# KiCad board dueottosei.kicad_pcb
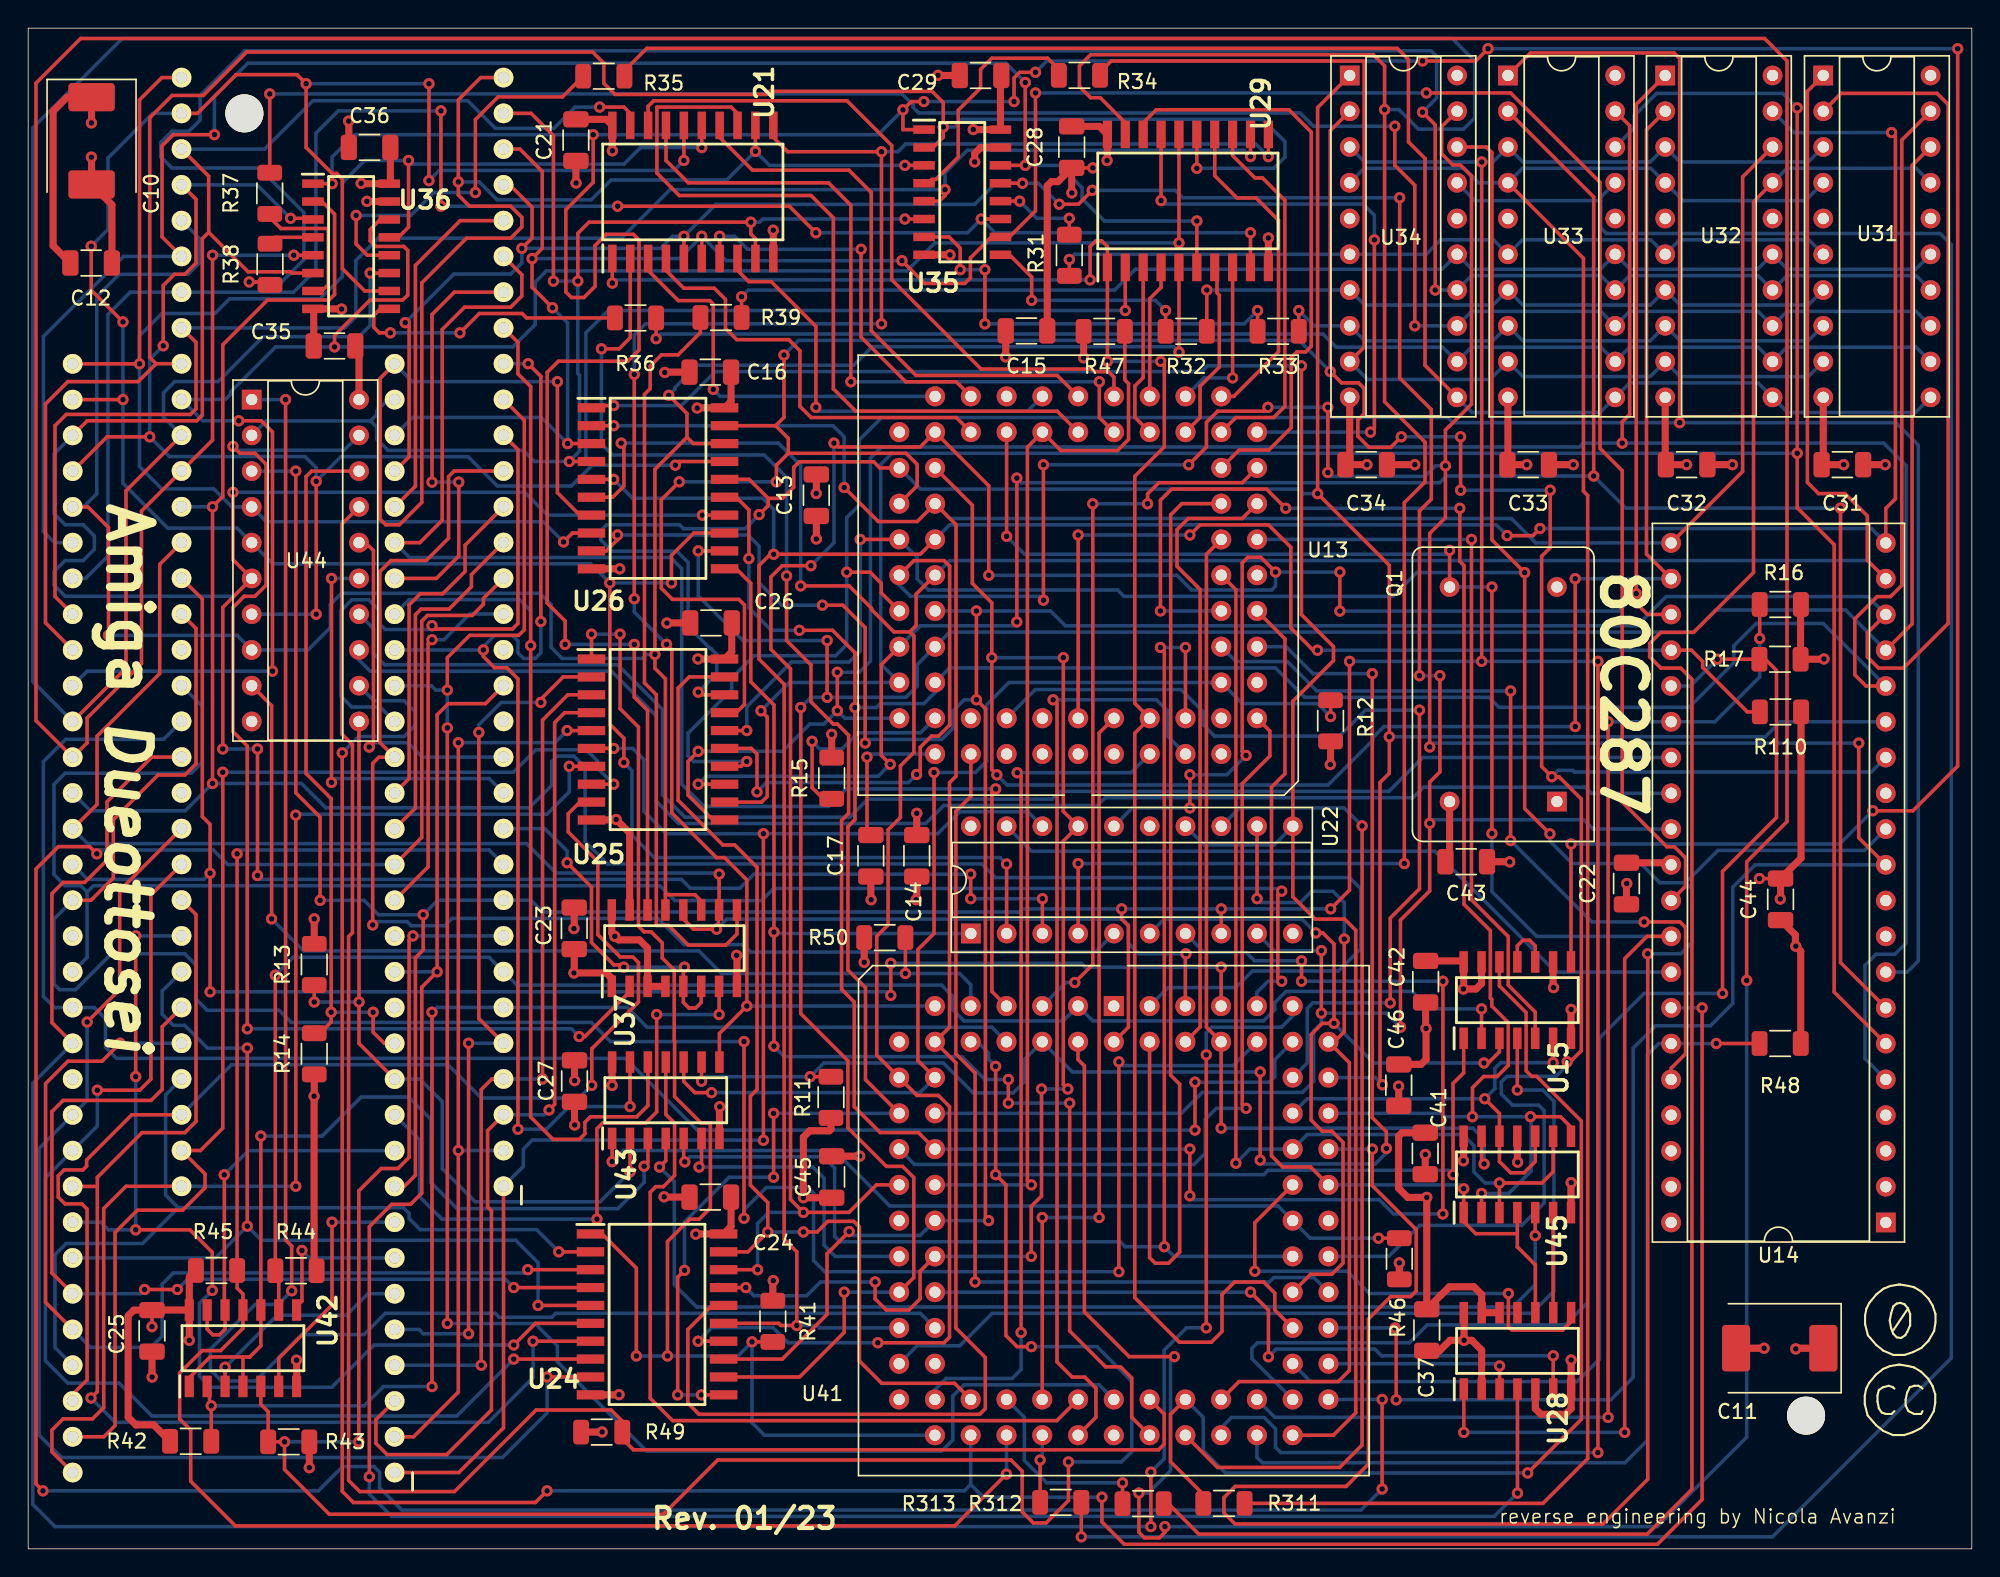
[diagram p0: board, top side]
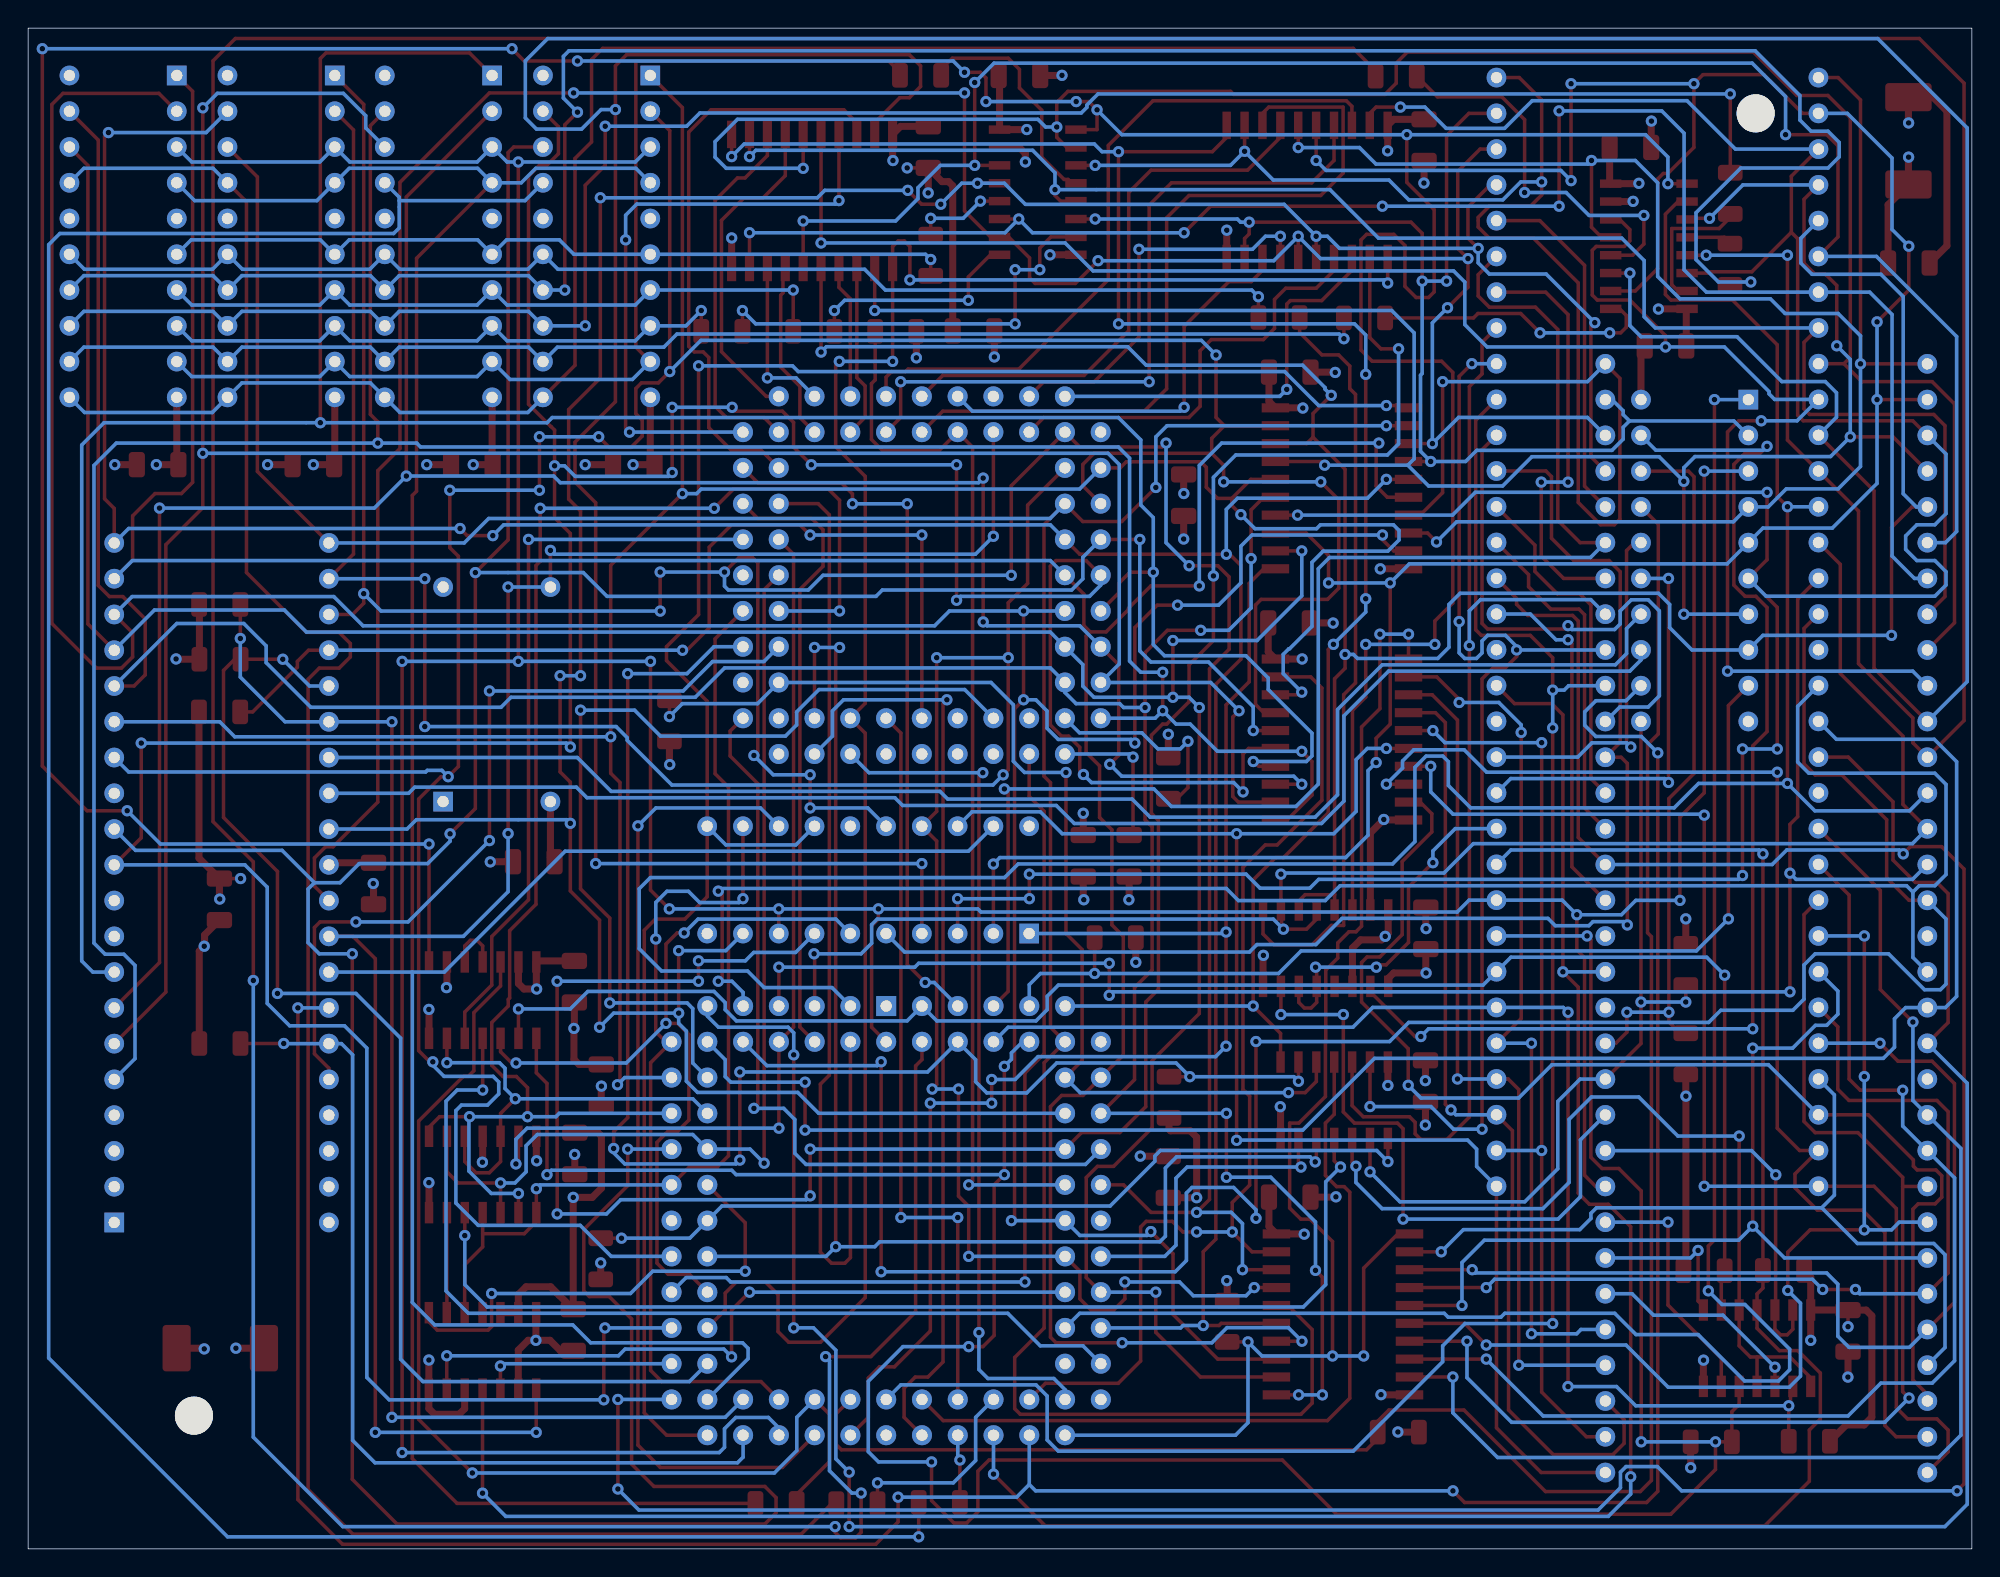
[diagram p1: board, bottom side, seen from below]

Outline 138 x 108 mm; copper layers: Top, In1.Cu (plane), In2.Cu (plane), Bottom. Coordinates in mm from the lower left corner of the outline.
Outline path: 0,108 138,108 138,0 0,0 0,108

## Placement (name value [footprint] x y rotation side)
C10  100uF  [CP_EIA-7361-438_AVX-U]  4.5 100 270 top
C11  100uF  [CP_EIA-7361-438_AVX-U]  124.36 14.25 180 top
C12  100nF  [C_1206_3216Metric]  4.47 91.32 0 top
C13  100nF  [C_1206_3216Metric]  55.96 74.83 90 top
C14  100nF  [C_1206_3216Metric]  63.09 49.22 270 top
C15  100nF  [C_1206_3216Metric]  70.88 86.5 0 top
C16  100nF  [C_1206_3216Metric]  48.43 83.57 180 top
C17  empty  [C_1206_3216Metric]  59.83 49.22 270 top
C21  100nF  [C_1206_3216Metric]  38.89 100.05 270 top
C22  100nF  [C_1206_3216Metric]  113.48 47.25 90 top
C23  100nF  [C_1206_3216Metric]  38.77 44.07 270 top
C24  100nF  [C_1206_3216Metric]  48.43 24.98 180 top
C25  100nF  [C_1206_3216Metric]  8.79 15.48 270 top
C26  100nF  [C_1206_3216Metric]  48.48 65.76 180 top
C27  100nF  [C_1206_3216Metric]  38.79 33.22 90 top
C28  100nF  [C_1206_3216Metric]  74.09 99.55 270 top
C29  100nF  [C_1206_3216Metric]  67.62 104.64 180 top
C31  100nF  [C_1206_3216Metric]  128.81 77 0 top
C32  100nF  [C_1206_3216Metric]  117.75 77 0 top
C33  100nF  [C_1206_3216Metric]  106.5 77 0 top
C34  100nF  [C_1206_3216Metric]  95 77 0 top
C35  100nF  [C_1206_3216Metric]  21.75 85.43 180 top
C36  100nF  [C_1206_3216Metric]  24.24 99.53 180 top
C37  100nF  [C_1206_3216Metric]  99.3 15.54 90 top
C41  100nF  [C_1206_3216Metric]  99.19 28.08 90 top
C42  100nF  [C_1206_3216Metric]  99.22 40.28 270 top
C43  100nF  [C_1206_3216Metric]  102.1 48.8 0 top
C44  100nF  [C_1206_3216Metric]  124.42 46.13 90 top
C45  100nF  [C_1206_3216Metric]  57.05 26.41 90 top
C46  100nF  [C_1206_3216Metric]  97.31 32.93 90 top
G1  LOGO  [atonce_F]  67.27 55.71 0 top
G2  LOGO  [atonce_B]  67.28 55.72 0 top
J1  Amiga board 68k socket  [DIPS2286W51P254L8128H419Q64N]  26.02 5.42 180 top
J2  Motorola 68k CPU  [DIPS2286W51P254L8128H419Q64N]  33.75 25.75 180 top
Q1  32MHz  [Oscillator_DIP-14]  108.54 53.07 90 top
R11  10K  [R_1206_3216Metric]  57 32.07 270 top
R12  10K  [R_1206_3216Metric]  92.47 58.81 90 top
R13  10K  [R_1206_3216Metric]  20.31 41.5 270 top
R14  10K  [R_1206_3216Metric]  20.31 35.16 90 top
R15  10K  [R_1206_3216Metric]  57.05 54.73 270 top
R16  10K  [R_1206_3216Metric]  124.4 67.07 180 top
R17  10K  [R_1206_3216Metric]  124.38 63.18 180 top
R31  22  [R_1206_3216Metric]  73.92 91.87 90 top
R32  22  [R_1206_3216Metric]  82.22 86.47 180 top
R33  22  [R_1206_3216Metric]  88.75 86.47 180 top
R34  22  [R_1206_3216Metric]  74.64 104.65 180 top
R35  22  [R_1206_3216Metric]  40.87 104.59 0 top
R36  22  [R_1206_3216Metric]  43.12 87.42 0 top
R37  22  [R_1206_3216Metric]  17.15 96.27 90 top
R38  22  [R_1206_3216Metric]  17.17 91.23 270 top
R39  22  [R_1206_3216Metric]  49.19 87.45 0 top
R41  10K  [R_1206_3216Metric]  52.87 16.16 270 top
R42  4.7K  [R_1206_3216Metric]  11.54 7.64 0 top
R43  4.7K  [R_1206_3216Metric]  18.5 7.6 180 top
R44  4.7K  [R_1206_3216Metric]  19.01 19.75 180 top
R45  1K  [R_1206_3216Metric]  13.37 19.77 0 top
R46  1K  [R_1206_3216Metric]  97.35 20.6 90 top
R47  4.7K  [R_1206_3216Metric]  76.4 86.47 0 top
R48  4.7K  [R_1206_3216Metric]  124.39 35.89 180 top
R49  10K  [R_1206_3216Metric]  40.72 8.29 0 top
R50  10K  [R_1206_3216Metric]  60.82 43.41 0 top
R110  2.2K  [R_1206_3216Metric]  124.41 59.44 180 top
R311  100  [R_1206_3216Metric]  84.9 3.23 0 top
R312  100  [R_1206_3216Metric]  79.16 3.21 0 top
R313  100  [R_1206_3216Metric]  73.31 3.3 0 top
REF1  -  [MountingHole_2.7mm]  126.23 9.46 0 top
REF2  -  [MountingHole_2.7mm]  15.35 101.95 0 top
REF4  -  [Symbol_CreativeCommonsPublicDomain_SilkScreenTop_Small]  132.75 13.52 0 top
U13  N80C286-16  [PLCC-68_THT-Socket-286]  74.55 56.45 180 top
U14  80C287  [DIP-40_W15.24mm_Socket]  131.89 23.18 180 top
U15  74LS08  [SOIC127P600X175-14N]  105.73 38.97 90 top
U21  74HCT374  [SOIC127P1030X265-20N#2]  47.19 96.37 90 top
U22  GAL16V8  [DIP-20_W7.62mm_Socket]  66.93 43.7 90 top
U24  SN74F245DWR  [SOIC127P1030X265-20N]  44.65 16.65 0 top
U25  SN74F245DWR  [SOIC127P1030X265-20N]  44.72 57.48 0 top
U26  74HCT374  [SOIC127P1030X265-20N]  44.72 75.32 0 top
U28  SN74F86D  [SOIC127P600X175-14N]  105.74 14.06 90 top
U29  74HCT374  [SOIC127P1030X265-20N]  82.34 95.73 90 top
U31  TMS44C256-80  [DIP-20_W7.62mm_Socket]  127.45 104.64 0 top
U32  TMS44C256-80  [DIP-20_W7.62mm_Socket]  116.23 104.64 0 top
U33  TMS44C256-80  [DIP-20_W7.62mm_Socket]  105.06 104.64 0 top
U34  TMS44C256-80  [DIP-20_W7.62mm_Socket]  93.83 104.64 0 top
U35  SN74F157AD  [SOIC127P600X175-16N]  66.32 96.35 0 top
U36  SN74F157AD  [SOIC127P600X175-16N]  22.93 92.51 0 top
U37  SN74F153D  [SOIC127P600X175-16N]  45.88 42.66 90 top
U41  XC2018-PC84  [PLCC-84_THT-Socket]  77.08 38.55 0 top
U42  SN74F125D  [SOIC127P600X175-14N#2]  15.25 14.25 90 top
U43  SN74F00D  [SOIC127P600X175-14N]  45.27 31.86 90 top
U44  GAL16V8  [DIP-20_W7.62mm_Socket]  15.87 81.62 0 top
U45  SN74F260D  [SOIC127P600X175-14N]  105.73 26.59 90 top

## Footprints (pads in the part's own frame, mm; a bottom-side part is the same pattern mirrored in y, then rotated)
C_1206_3216Metric
  rrect 1.15x1.8 smd: 1(-1.475,0) 2(1.475,0)
CP_EIA-7361-438_AVX-U
  rrect 2x3.3 smd: 1(-3.1,0) 2(3.1,0)
DIP-20_W7.62mm_Socket
  rect 1.4x1.4 hole 0.8: 1(0,0)
  oval 1.4x1.4 hole 0.8: 2(0,-2.54) 3(0,-5.08) 4(0,-7.62) 5(0,-10.16) 6(0,-12.7) 7(0,-15.24) 8(0,-17.78) 9(0,-20.32) 10(0,-22.86) 11(7.62,-22.86) 12(7.62,-20.32) 13(7.62,-17.78) 14(7.62,-15.24) 15(7.62,-12.7) 16(7.62,-10.16) 17(7.62,-7.62) 18(7.62,-5.08) 19(7.62,-2.54) 20(7.62,0)
DIP-40_W15.24mm_Socket
  rect 1.4x1.4 hole 0.8: 1(0,0)
  oval 1.4x1.4 hole 0.8: 2(0,-2.54) 3(0,-5.08) 4(0,-7.62) 5(0,-10.16) 6(0,-12.7) 7(0,-15.24) 8(0,-17.78) 9(0,-20.32) 10(0,-22.86) 11(0,-25.4) 12(0,-27.94) 13(0,-30.48) 14(0,-33.02) 15(0,-35.56) 16(0,-38.1) 17(0,-40.64) 18(0,-43.18) 19(0,-45.72) 20(0,-48.26) 21(15.24,-48.26) 22(15.24,-45.72) 23(15.24,-43.18) 24(15.24,-40.64) 25(15.24,-38.1) 26(15.24,-35.56) 27(15.24,-33.02) 28(15.24,-30.48) 29(15.24,-27.94) 30(15.24,-25.4) 31(15.24,-22.86) 32(15.24,-20.32) 33(15.24,-17.78) 34(15.24,-15.24) 35(15.24,-12.7) 36(15.24,-10.16) 37(15.24,-7.62) 38(15.24,-5.08) 39(15.24,-2.54) 40(15.24,0)
DIPS2286W51P254L8128H419Q64N
  round 1.4 hole 0.8: 1(0,0) 2(0,-2.54) 3(0,-5.08) 4(0,-7.62) 5(0,-10.16) 6(0,-12.7) 7(0,-15.24) 8(0,-17.78) 9(0,-20.32) 10(0,-22.86) 11(0,-25.4) 12(0,-27.94) 13(0,-30.48) 14(0,-33.02) 15(0,-35.56) 16(0,-38.1) 17(0,-40.64) 18(0,-43.18) 19(0,-45.72) 20(0,-48.26) 21(0,-50.8) 22(0,-53.34) 23(0,-55.88) 24(0,-58.42) 25(0,-60.96) 26(0,-63.5) 27(0,-66.04) 28(0,-68.58) 29(0,-71.12) 30(0,-73.66) 31(0,-76.2) 32(0,-78.74) 33(22.86,-78.74) 34(22.86,-76.2) 35(22.86,-73.66) 36(22.86,-71.12) 37(22.86,-68.58) 38(22.86,-66.04) 39(22.86,-63.5) 40(22.86,-60.96) 41(22.86,-58.42) 42(22.86,-55.88) 43(22.86,-53.34) 44(22.86,-50.8) 45(22.86,-48.26) 46(22.86,-45.72) 47(22.86,-43.18) 48(22.86,-40.64) 49(22.86,-38.1) 50(22.86,-35.56) 51(22.86,-33.02) 52(22.86,-30.48) 53(22.86,-27.94) 54(22.86,-25.4) 55(22.86,-22.86) 56(22.86,-20.32) 57(22.86,-17.78) 58(22.86,-15.24) 59(22.86,-12.7) 60(22.86,-10.16) 61(22.86,-7.62) 62(22.86,-5.08) 63(22.86,-2.54) 64(22.86,0)
MountingHole_2.7mm
  round 2.7 hole 2.7 unplated: (0,0)
Oscillator_DIP-14
  rect 1.4x1.4 hole 0.8: 1(0,0)
  round 1.4 hole 0.8: 7(15.24,0) 8(15.24,7.62) 14(0,7.62)
PLCC-68_THT-Socket-286
  round 1.422 hole 0.8: 1(-12.7,-2.54) 2(-10.16,-2.54) 3(-12.7,-5.08) 4(-10.16,-5.08) 5(-12.7,-7.62) 6(-10.16,-7.62) 7(-12.7,-10.16) 8(-10.16,-10.16) 9(-12.7,-12.7) 10(-10.16,-12.7) 11(-12.7,-15.24) 12(-10.16,-15.24) 13(-12.7,-17.78) 14(-10.16,-17.78) 15(-12.7,-20.32) 16(-10.16,-20.32) 17(-12.7,-22.86) 18(-10.16,-25.4) 19(-10.16,-22.86) 20(-7.62,-25.4) 21(-7.62,-22.86) 22(-5.08,-25.4) 23(-5.08,-22.86) 24(-2.54,-25.4) 25(-2.54,-22.86) 26(0,-25.4) 27(0,-22.86) 28(2.54,-25.4) 29(2.54,-22.86) 30(5.08,-25.4) 31(5.08,-22.86) 32(7.62,-25.4) 33(7.62,-22.86) 34(10.16,-25.4) 35(12.7,-22.86) 36(10.16,-22.86) 37(12.7,-20.32) 38(10.16,-20.32) 39(12.7,-17.78) 40(10.16,-17.78) 41(12.7,-15.24) 42(10.16,-15.24) 43(12.7,-12.7) 44(10.16,-12.7) 45(12.7,-10.16) 46(10.16,-10.16) 47(12.7,-7.62) 48(10.16,-7.62) 49(12.7,-5.08) 50(10.16,-5.08) 51(12.7,-2.54) 52(10.16,0) 53(10.16,-2.54) 54(7.62,0) 55(7.62,-2.54) 56(5.08,0) 57(5.08,-2.54) 58(2.54,0) 59(2.54,-2.54) 60(0,0) 61(0,-2.54) 62(-2.54,0) 63(-2.54,-2.54) 64(-5.08,0) 65(-5.08,-2.54) 66(-7.62,0) 67(-7.62,-2.54) 68(-10.16,0)
PLCC-84_THT-Socket
  rect 1.422x1.422 hole 0.8: 1(0,0)
  round 1.422 hole 0.8: 2(0,-2.54) 3(-2.54,0) 4(-2.54,-2.54) 5(-5.08,0) 6(-5.08,-2.54) 7(-7.62,0) 8(-7.62,-2.54) 9(-10.16,0) 10(-10.16,-2.54) 11(-12.7,0) 12(-15.24,-2.54) 13(-12.7,-2.54) 14(-15.24,-5.08) 15(-12.7,-5.08) 16(-15.24,-7.62) 17(-12.7,-7.62) 18(-15.24,-10.16) 19(-12.7,-10.16) 20(-15.24,-12.7) 21(-12.7,-12.7) 22(-15.24,-15.24) 23(-12.7,-15.24) 24(-15.24,-17.78) 25(-12.7,-17.78) 26(-15.24,-20.32) 27(-12.7,-20.32) 28(-15.24,-22.86) 29(-12.7,-22.86) 30(-15.24,-25.4) 31(-12.7,-25.4) 32(-15.24,-27.94) 33(-12.7,-30.48) 34(-12.7,-27.94) 35(-10.16,-30.48) 36(-10.16,-27.94) 37(-7.62,-30.48) 38(-7.62,-27.94) 39(-5.08,-30.48) 40(-5.08,-27.94) 41(-2.54,-30.48) 42(-2.54,-27.94) 43(0,-30.48) 44(0,-27.94) 45(2.54,-30.48) 46(2.54,-27.94) 47(5.08,-30.48) 48(5.08,-27.94) 49(7.62,-30.48) 50(7.62,-27.94) 51(10.16,-30.48) 52(10.16,-27.94) 53(12.7,-30.48) 54(15.24,-27.94) 55(12.7,-27.94) 56(15.24,-25.4) 57(12.7,-25.4) 58(15.24,-22.86) 59(12.7,-22.86) 60(15.24,-20.32) 61(12.7,-20.32) 62(15.24,-17.78) 63(12.7,-17.78) 64(15.24,-15.24) 65(12.7,-15.24) 66(15.24,-12.7) 67(12.7,-12.7) 68(15.24,-10.16) 69(12.7,-10.16) 70(15.24,-7.62) 71(12.7,-7.62) 72(15.24,-5.08) 73(12.7,-5.08) 74(15.24,-2.54) 75(12.7,0) 76(12.7,-2.54) 77(10.16,0) 78(10.16,-2.54) 79(7.62,0) 80(7.62,-2.54) 81(5.08,0) 82(5.08,-2.54) 83(2.54,0) 84(2.54,-2.54)
R_1206_3216Metric
  rrect 1.125x1.75 smd: 1(-1.462,0) 2(1.462,0)
SOIC127P600X175-14N
  rect 1.525x0.6 smd: 1(-2.712,3.81) 2(-2.712,2.54) 3(-2.712,1.27) 4(-2.712,0) 5(-2.712,-1.27) 6(-2.712,-2.54) 7(-2.712,-3.81) 8(2.712,-3.81) 9(2.712,-2.54) 10(2.712,-1.27) 11(2.712,0) 12(2.712,1.27) 13(2.712,2.54) 14(2.712,3.81)
SOIC127P600X175-14N#2
  rect 1.525x0.65 smd: 1(-2.712,3.81) 2(-2.712,2.54) 3(-2.712,1.27) 4(-2.712,0) 5(-2.712,-1.27) 6(-2.712,-2.54) 7(-2.712,-3.81) 8(2.712,-3.81) 9(2.712,-2.54) 10(2.712,-1.27) 11(2.712,0) 12(2.712,1.27) 13(2.712,2.54) 14(2.712,3.81)
SOIC127P600X175-16N
  rect 1.525x0.6 smd: 1(-2.712,4.445) 2(-2.712,3.175) 3(-2.712,1.905) 4(-2.712,0.635) 5(-2.712,-0.635) 6(-2.712,-1.905) 7(-2.712,-3.175) 8(-2.712,-4.445) 9(2.712,-4.445) 10(2.712,-3.175) 11(2.712,-1.905) 12(2.712,-0.635) 13(2.712,0.635) 14(2.712,1.905) 15(2.712,3.175) 16(2.712,4.445)
SOIC127P1030X265-20N
  rect 1.95x0.65 smd: 1(-4.725,5.715) 2(-4.725,4.445) 3(-4.725,3.175) 4(-4.725,1.905) 5(-4.725,0.635) 6(-4.725,-0.635) 7(-4.725,-1.905) 8(-4.725,-3.175) 9(-4.725,-4.445) 10(-4.725,-5.715) 11(4.725,-5.715) 12(4.725,-4.445) 13(4.725,-3.175) 14(4.725,-1.905) 15(4.725,-0.635) 16(4.725,0.635) 17(4.725,1.905) 18(4.725,3.175) 19(4.725,4.445) 20(4.725,5.715)
SOIC127P1030X265-20N#2
  rect 1.95x0.6 smd: 1(-4.725,5.715) 2(-4.725,4.445) 3(-4.725,3.175) 4(-4.725,1.905) 5(-4.725,0.635) 6(-4.725,-0.635) 7(-4.725,-1.905) 8(-4.725,-3.175) 9(-4.725,-4.445) 10(-4.725,-5.715) 11(4.725,-5.715) 12(4.725,-4.445) 13(4.725,-3.175) 14(4.725,-1.905) 15(4.725,-0.635) 16(4.725,0.635) 17(4.725,1.905) 18(4.725,3.175) 19(4.725,4.445) 20(4.725,5.715)

## Nets
GND: C10.2 C11.2 C12.2 C13.2 C14.2 C15.2 C16.2 C17.2 C21.2 C22.2 C23.2 C24.2 C25.2 C26.2 C27.2 C28.2 C29.2 C31.2 C32.2 C33.2 C34.2 C35.2 C36.2 C37.2 C41.2 C42.2 C43.2 C44.2 C45.2 C46.2 J1.16 J1.53 J2.16 J2.53 Q1.7 R110.1 U13.9 U13.35 U13.59 U13.60 U14.10 U14.30 U14.39 U15.7 U21.10 U22.10 U24.10 U25.10 U26.10 U28.5 U28.7 U28.12 U28.13 U29.10 U31.16 U31.20 U32.16 U32.20 U33.16 U33.20 U34.16 U34.20 U35.8 U35.15 U36.8 U36.15 U37.1 U37.8 U37.15 U41.1 U41.43 U42.7 U43.7 U44.10 U45.7 U45.11
VCC: C10.1 C11.1 C12.1 C13.1 C14.1 C15.1 C16.1 C21.1 C22.1 C23.1 C24.1 C25.1 C26.1 C27.1 C28.1 C29.1 C31.1 C32.1 C33.1 C34.1 C35.1 C36.1 C37.1 C41.1 C42.1 C43.1 C44.1 C45.1 C46.1 J1.14 J1.49 J2.14 J2.49 Q1.14 R11.2 R12.1 R13.1 R14.1 R15.1 R16.1 R17.1 R41.1 R42.1 R43.1 R44.1 R45.1 R46.1 R47.1 R48.1 R49.1 R50.1 U13.30 U13.62 U14.9 U15.9 U15.13 U15.14 U21.20 U22.20 U24.20 U25.20 U26.20 U28.2 U28.14 U29.20 U31.10 U32.10 U33.10 U34.10 U35.16 U36.16 U37.3 U37.4 U37.16 U41.12 U41.22 U41.31 U41.32 U41.64 U42.14 U43.14 U44.20 U45.14
6_A0: U13.34 U21.3
6_A1: U13.33 U21.4
6_A2: U13.32 U21.7
6_A3: U13.28 U21.8
6_A4: U13.27 U21.13
6_A5: U13.26 U21.14
6_A6: U13.25 U21.17
6_A7: U13.24 U21.18
6_A8: U13.23 U29.3
6_A9: U13.22 U29.4
6_A10: U13.21 U29.7
6_A11: U13.20 U29.8
6_A12: U13.19 U29.13
6_A13: U13.18 U29.14
6_A14: U13.17 U29.17
6_A15: U13.16 U29.18
6_A16: U13.15 U41.5
6_A17: U13.14 U41.84
6_A18: U13.13 U41.82
6_A19: U13.12 U41.80 U45.13
6_A20: U13.11 U15.5
6_A21: U13.10 U41.69 U45.3 U45.9
6_A22: U13.8 U41.70 U45.2 U45.8
6_A23: U13.7 U28.10 U41.66 U45.1 U45.4
6_COD\~{INTA}: U13.66 U41.41
6_D0: U13.36 U14.23 U22.16 U24.18 U32.1 U41.20
6_D1: U13.38 U14.22 U22.17 U24.17 U32.2 U41.25
6_D2: U13.40 U14.21 U24.16 U26.2 U32.18 U41.13
6_D3: U13.42 U14.20 U24.15 U26.5 U32.19 U41.28
6_D4: U13.44 U14.19 U24.14 U26.6 U31.1 U41.14
6_D5: U13.46 U14.18 U24.13 U26.9 U31.2 U41.23
6_D6: U13.48 U14.17 U24.12 U26.12 U31.18 U41.26
6_D7: U13.50 U14.16 U24.11 U26.15 U31.19 U41.16
6_D8: U13.37 U14.15 U25.18 U26.16 U34.1 U41.72
6_D9: U13.39 U14.14 U25.17 U26.19 U34.2 U41.62
6_D10: U13.41 U14.12 U25.16 U34.18 U41.68
6_D11: U13.43 U14.11 U25.15 U34.19 U41.58
6_D12: U13.45 U14.8 U25.14 U33.1
6_D13: U13.47 U14.7 U25.13 U33.2
6_D14: U13.49 U14.6 U25.12 U33.18
6_D15: U13.51 U14.5 U25.11 U33.19
6_HDLA: U13.65 U21.1 U29.1 U41.59
6_HOLD: U13.64 U41.34
6_INTR: U13.57 U41.73
6_M\~{IO}: U13.67 U41.63 U43.5
6_PEREQ: R110.2 U13.61 U14.24
6_RESET: R47.2 U13.29 U41.21
6_~{BHE}: U13.1 U41.18
6_~{BUSY}: U13.54 U41.60
6_~{PEACK}: U13.6 U14.36
6_~{READY}: U13.63 U41.40
6_~{S0}: R11.1 U13.5 U41.6 U43.9
6_~{S1}: R12.2 U13.4 U41.15 U43.10
7_NPS2: U14.33 U22.19 U41.55
7_RESET: R48.2 U14.35 U41.51
7_~{BUSY}: R17.2 U14.25 U41.57
7_~{ERROR}: R16.2 U14.26 U41.52
7_~{NPRD}: U14.27 U44.14
7_~{NPS1}: U14.34 U41.35 U44.12
7_~{NPWR}: U14.28 U44.13
CLK: U22.12 U41.50 U41.74
GCLK: U21.11 U29.11 U41.11 U43.8
LDC: U24.19 U25.19 U41.36
M2: R41.2 U24.1 U25.1 U41.33
M_~{AS}: J2.6 R42.2 U41.8 U42.2
M_~{BGACK}: J2.12 U44.15
M_~{BG}: J2.11 U37.5 U37.6
M_~{BR}: J2.13 U44.16
M_~{DTACK}: J2.10 R45.2 U41.37 U42.11
M_~{LDS}: J2.8 R43.2 U15.1 U41.10 U42.5
M_~{UDS}: J2.7 R44.2 U15.2 U41.3 U42.9
P9: R50.2 U41.9 U44.9
P19: U21.2 U22.7 U41.19
P24: U41.24 U43.6
P27: U28.6 U41.27
P29: U41.29 U44.1
P30: U15.4 U41.30
P38: R312.1 U41.38
P39: R313.1 U41.39
P42: U41.42 U43.11
P45: U22.1 U26.11 U41.45
P46: R49.2 U41.46 U44.17
P47: U22.13 U41.47
P48: R311.1 U15.12 U41.48
P53: U22.11 U22.14 U26.1 U41.53
P56: U28.3 U41.56
P61: U15.3 U22.6 U41.61
P65: R46.2 U41.65 U43.1
P67: U28.8 U41.67
P71: U15.6 U41.71 U45.10 U45.12
Z_A1: J1.29 J2.29 U14.29 U21.5 U22.9 U35.13 U41.17
Z_A2: J1.30 J2.30 U14.31 U21.6 U26.3 U35.10
Z_A3: J1.31 J2.31 U21.9 U26.4 U35.6 U44.2
Z_A4: J1.32 J2.32 U21.12 U26.7 U35.3
Z_A5: J1.33 J2.33 U21.15 U26.8 U36.13 U44.4
Z_A6: J1.34 J2.34 U21.16 U22.2 U26.13 U36.10 U44.5
Z_A7: J1.35 J2.35 U21.19 U22.3 U26.14 U36.6 U44.6
Z_A8: J1.36 J2.36 U26.17 U29.2 U36.3 U44.7
Z_A9: J1.37 J2.37 U26.18 U29.5 U37.11 U37.13 U44.8
Z_A10: J1.38 J2.38 U29.6 U35.14
Z_A11: J1.39 J2.39 U29.9 U35.11
Z_A12: J1.40 J2.40 U29.12 U35.5
Z_A13: J1.41 J2.41 U29.15 U35.2
Z_A14: J1.42 J2.42 U29.16 U36.14
Z_A15: J1.43 J2.43 U22.4 U29.19 U36.11
Z_A16: J1.44 J2.44 U36.5 U41.4
Z_A17: J1.45 J2.45 U36.2 U41.83
Z_A18: J1.46 J2.46 U37.10 U37.12 U41.81
Z_A19: J1.47 J2.47 U41.79
Z_A20: J1.48 J2.48 U41.78
Z_A21: J1.50 J2.50 U41.77
Z_A22: J1.51 J2.51 U41.76
Z_A23: J1.52 J2.52 U41.75
Z_CLK: J1.15 J2.15 U28.4
Z_D0: J1.5 J2.5 U25.2
Z_D1: J1.4 J2.4 U25.3
Z_D2: J1.3 J2.3 U25.4
Z_D3: J1.2 J2.2 U25.5
Z_D4: J1.1 J2.1 U22.18 U25.6
Z_D5: J1.64 J2.64 U25.7
Z_D6: J1.63 J2.63 U25.8
Z_D7: J1.62 J2.62 U25.9
Z_D8: J1.61 J2.61 U24.2
Z_D9: J1.60 J2.60 U24.3
Z_D10: J1.59 J2.59 U24.4
Z_D11: J1.58 J2.58 U24.5
Z_D12: J1.57 J2.57 U24.6
Z_D13: J1.56 J2.56 U24.7
Z_D14: J1.55 J2.55 U24.8
Z_D15: J1.54 J2.54 U24.9
Z_E: J1.20 J2.20
Z_FC0: J1.28 J2.28
Z_FC1: J1.27 J2.27 U41.7
Z_FC2: J1.26 J2.26
Z_R~{W}: J1.9 J2.9 U22.8 U31.3 U32.3 U33.3 U34.3 U41.2 U41.49 U44.3
Z_~{AS}: J1.6 U42.3
Z_~{BERR}: J1.22 J2.22
Z_~{BGACK}: J1.12 R13.2 U43.2 U44.11
Z_~{BG}: J1.11 U37.7
Z_~{BR}: J1.13 R14.2 U44.18
Z_~{DTACK}: J1.10 U42.12 U42.13
Z_~{HALT}: J1.17 J2.17
Z_~{IPL0}: J1.25 J2.25 U43.12
Z_~{IPL1}: J1.24 J2.24 U43.13
Z_~{IPL2}: J1.23 J2.23 U41.44
Z_~{LDS}: J1.8 U42.6
Z_~{RESET}: J1.18 J2.18 U41.54
Z_~{UDS}: J1.7 U42.8
Z_~{VMA}: J1.19 J2.19
Z_~{VPA}: J1.21 J2.21 U22.5
Net-(C17-Pad1): C17.1 U13.52
Net-(Q1-Pad1): Q1.1
Net-(Q1-Pad8): Q1.8 U13.31 U14.32 U28.1
Net-(R15-Pad2): R15.2 U13.53
Net-(R31-Pad1): R31.1 U31.6 U32.6 U33.6 U34.6
Net-(R31-Pad2): R31.2 U35.12
Net-(R32-Pad1): R32.1 U31.7 U32.7 U33.7 U34.7
Net-(R32-Pad2): R32.2 U35.9
Net-(R33-Pad1): R33.1 U31.8 U32.8 U33.8 U34.8
Net-(R33-Pad2): R33.2 U35.7
Net-(R34-Pad1): R34.1 U31.9 U32.9 U33.9 U34.9
Net-(R34-Pad2): R34.2 U35.4
Net-(R35-Pad1): R35.1 U36.12
Net-(R35-Pad2): R35.2 U31.11 U32.11 U33.11 U34.11
Net-(R36-Pad1): R36.1 U36.9
Net-(R36-Pad2): R36.2 U31.12 U32.12 U33.12 U34.12
Net-(R37-Pad1): R37.1 U36.7
Net-(R37-Pad2): R37.2 U31.13 U32.13 U33.13 U34.13
Net-(R38-Pad1): R38.1 U36.4
Net-(R38-Pad2): R38.2 U31.14 U32.14 U33.14 U34.14
Net-(R39-Pad1): R39.1 U37.9
Net-(R39-Pad2): R39.2 U31.15 U32.15 U33.15 U34.15
Net-(R311-Pad2): R311.2 U31.4 U32.4 U33.4 U34.4
Net-(R312-Pad2): R312.2 U31.17 U32.17
Net-(R313-Pad2): R313.2 U33.17 U34.17
Net-(U13-Pad2): U13.2
Net-(U13-Pad3): U13.3
Net-(U13-Pad55): U13.55
Net-(U13-Pad56): U13.56
Net-(U13-Pad58): U13.58
Net-(U13-Pad68): U13.68
Net-(U14-Pad1): U14.1
Net-(U14-Pad2): U14.2
Net-(U14-Pad3): U14.3
Net-(U14-Pad4): U14.4
Net-(U14-Pad13): U14.13
Net-(U14-Pad37): U14.37
Net-(U14-Pad38): U14.38
Net-(U14-Pad40): U14.40
Net-(U15-Pad8): U15.8 U35.1 U36.1 U37.14
Net-(U15-Pad10): U15.10 U15.11
Net-(U22-Pad15): U22.15
Net-(U28-Pad9): U28.9 U45.6
Net-(U28-Pad11): U28.11
Net-(U31-Pad5): U31.5
Net-(U32-Pad5): U32.5
Net-(U33-Pad5): U33.5
Net-(U34-Pad5): U34.5
Net-(U37-Pad2): U37.2 U44.19
Net-(U42-Pad1): U42.1 U42.4 U42.10 U43.3
Net-(U43-Pad4): U43.4 U45.5

## Via types
v1: diameter 0.8, hole 0.4, Top to Bottom, 581 vias
